# Allegro board reServer industrial J401 Carrier Board v11.brd (continued)
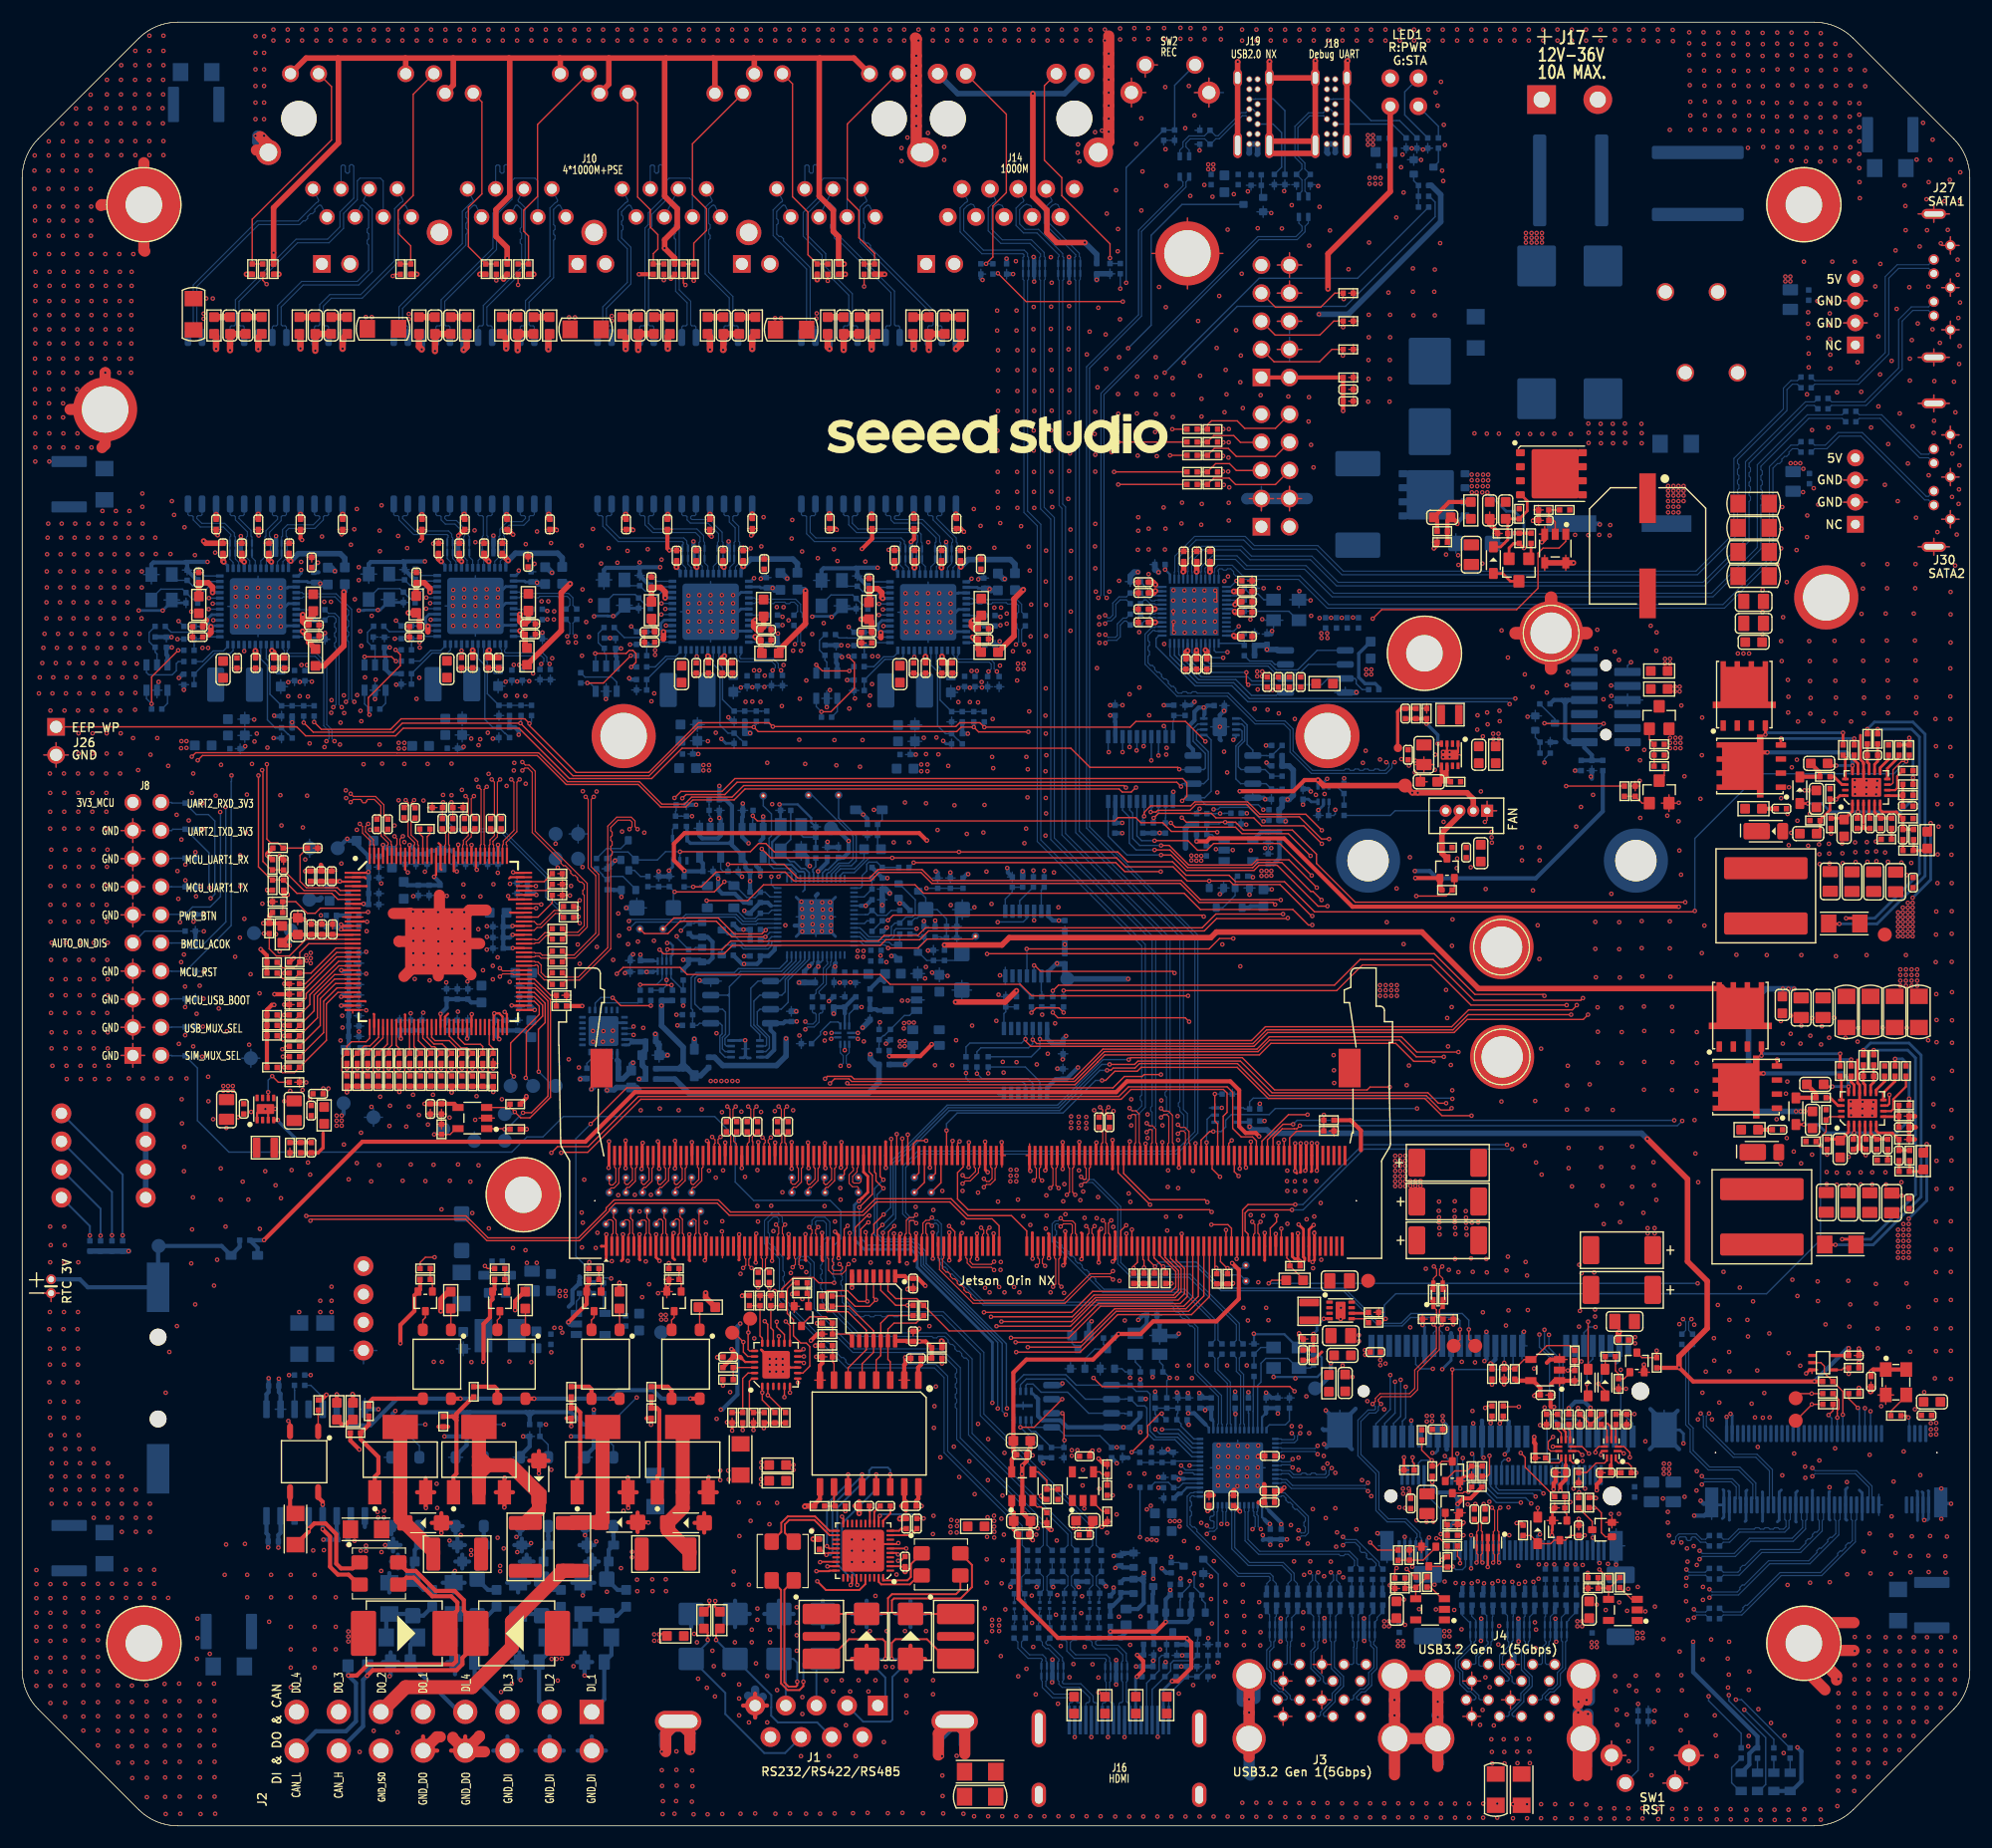
[diagram p0: board, top side]
## Copper pours and planes (outline as drawn; the poured copper is in the pictures) (continued)
VDD12_SW_OUT2 on TOP: 65.94,112.57 66.21,112.29 66.21,110.74 66.57,110.39 67.51,110.39 67.99,109.91 69.18,109.91 69.51,110.24 69.51,113.03 69.25,113.3 69.24,113.3 68.74,113.8 66.29,113.8 65.94,113.44
VDD12_SW_OUT2 on BOTTOM: 62.45,95.94 62.15,96.24 60.72,96.24 60.47,95.99 60.47,95.2 60.72,94.94 62.15,94.94 62.45,95.25
VDD12_SW_OUT2 on LAY3: 60.72,95.18 60.72,103.23 56.58,107.37 56.58,108.97 57.65,110.04 59.33,110.04 62.35,113.06 69.16,113.06 69.51,112.7 69.51,100.82 63.34,94.64 61.26,94.64
VDD25_REG_OUT on TOP: 88.39,106.45 87.92,106.45 87.72,106.25 87.72,105.76 87.39,105.42 85.61,105.42 85.43,105.25 85.43,104.18 85.58,104.03 86.62,104.03 87.13,104.54 87.84,104.54 88.52,105.22 88.52,106.32
VDD25_REG_OUT on BOTTOM: 83.56,106.51 83.48,106.43 83.48,103.87 83.73,103.61 86.27,103.61 86.5,103.84 86.5,104.45 86.3,104.65 84.42,104.65 83.76,105.31 83.76,106.43 83.68,106.51
VDD25_REG_OUT0 on TOP: 25.09,105.31 26.66,105.31 26.87,105.11 26.87,104.52 26.69,104.35 25.09,104.35 24.88,104.55 24.88,105.11
VDD25_REG_OUT0 on BOTTOM: 22.93,106.96 22.93,104.39 23.18,104.14 25.72,104.14 25.95,104.37 25.95,104.98 25.75,105.18 23.87,105.18 23.21,105.84 23.21,106.96 23.13,107.04 23,107.04
VDD25_REG_OUT1 on TOP: 44.39,105.69 45.92,105.69 46.02,105.59 46.02,105.26 45.43,104.68 44.26,104.68 44.19,104.75 44.19,105.49
VDD25_REG_OUT1 on BOTTOM: 42.65,107.08 42.57,107 42.57,104.44 42.82,104.18 45.36,104.18 45.59,104.41 45.59,105.02 45.39,105.22 43.51,105.22 42.85,105.88 42.85,107 42.77,107.08
VDD25_REG_OUT2 on TOP: 65.92,105.16 67.37,105.16 67.81,105.6 67.81,106.17 68.03,106.4 68.63,106.4 68.82,106.21 68.82,105.27 68.17,104.62 67.81,104.62 67.8,104.63 67.67,104.63 67.21,104.17 65.95,104.17 65.85,104.26 65.85,105.09
VDD25_REG_OUT2 on BOTTOM: 63.9,106.55 63.82,106.48 63.82,103.91 64.08,103.66 66.62,103.66 66.85,103.89 66.85,104.5 66.64,104.7 64.76,104.7 64.1,105.36 64.1,106.48 64.03,106.55
VDD_1V0_AUX on TOP: 28.18,66.76 27.93,67.02 27.17,67.02 26.97,66.81 26.97,64.62 27.03,64.55 27.95,64.55 28.18,64.78
VDD_1V0_AUX on BOTTOM: 29.76,83.46 29.76,81.05 29.45,80.74 28.49,80.74 28.18,81.05 28.18,82.57 27.85,82.9 27.02,82.9 26.76,83.15 26.76,83.89 26.99,84.12 28.59,84.12 29.07,83.64 29.58,83.64
VDD_1V0_AUX on LAY4: 29.02,81.56 29.02,66.73 28.64,66.35 26.84,66.35 26.48,66.7 26.48,81.43 26.81,81.77 28.82,81.77
VDD_1V2 on TOP: 115.64,46.05 117.11,46.05 117.75,45.42 118.43,45.42 118.74,45.11 118.74,40.46 118.43,40.16 117.19,40.16 116.78,40.57 116.78,42.19 117.16,42.57 117.16,44.35 116.78,44.73 115.61,44.73 115.43,44.91 115.43,45.85
VDD_1V2_HUB on TOP: 119.75,39.6 115.84,39.6 113.81,37.57 105.25,37.57 104.77,37.09 104.77,35.64 105.66,34.75 112.74,34.75 113,34.5 113,28.96 112.72,28.68 110.38,28.68 109.92,29.14 107.03,29.14 104.61,31.55 104.36,31.55 104.18,31.37 104.18,28.91 107.38,25.71 114.57,25.71 119.88,31.02 119.88,39.47
VDD_1V8 on BOTTOM: 111.05,87.45 111.91,87.45 112.19,87.17 112.77,87.17 112.87,87.07 112.87,86.66 113.18,86.35 113.18,85.57 113.1,85.49 111.99,85.49 110.89,86.58 110.89,87.29
VDD_1V8 on BOTTOM: 90.64,47.96 87.14,47.96 86.81,48.29 86.81,58.7 87.72,59.62 90.26,59.62 91.03,58.85 91.03,48.34
VDD_1V8 on LAY3: 89.48,57.46 96.87,57.46 97.5,58.09 97.5,63.73 96.79,64.44 94.78,64.44 93.16,62.82 90.24,62.82 88.97,61.55 88.97,57.97
VDD_1V8 on LAY3: 81.5,49.13 84.68,49.13 84.9,48.9 92.27,48.9 92.73,48.44 95.32,48.44 97.05,46.71 97.05,45.42 96.56,44.94 87.11,44.94 85.74,43.56 82.8,43.56 81.22,45.14 81.22,48.85
VDD_1V8 on LAY4: 111.17,62.74 94.56,62.74 94.18,63.12 94.18,63.91 94.63,64.37 98.57,64.37 99.13,64.92 99.13,66.12 97.65,67.59 95.45,67.59 95.19,67.85 95.19,68.61 98.06,71.48 98.06,100.97 98.7,101.6 112.95,101.6 113.94,100.61 113.94,94.21 115.43,92.71 121.38,92.71 126.23,87.86 126.23,85.32 111.75,70.84 111.75,63.32
VDD_1V25 on TOP: 126.83,96.98 124.15,96.98 124.12,96.95 122.37,96.95 121.51,97.82 121.51,100.92 120.77,101.65 118.64,101.65 118.05,102.24 118.05,103.33 118.36,103.63 123.26,103.63 123.82,103.08 123.82,99.6 123.94,99.47 124.38,99.47 124.45,99.39 127.09,99.39 127.42,99.72 127.42,101.27 127.49,101.35 128.43,101.35 128.56,101.22 128.56,98.71
VDD_3V3_HDMI on TOP: 94.9,29.63 93.33,29.63 93.1,29.4 93.1,27.35 94.39,26.05 95.41,26.05 95.69,26.33 95.69,27.93 95.21,28.41 95.21,29.33
VDD_3V3_HUB on BOTTOM: 104.83,30.22 104.83,26.29 104.58,26.03 103.64,26.03 103.44,26.24 103.44,28.78 103.84,29.18 103.84,30 104.1,30.25 104.81,30.25
VDD_3V3_HUB on LAY3: 113.1,26.72 103.8,26.72 100.91,29.62 100.91,37.06 101.74,37.9 113.68,37.9 113.99,37.59 113.99,35.36 113.4,34.78 105.1,34.78 104.18,33.86 104.18,30.94 106.34,28.78 113,28.78 113.35,28.43 113.35,26.98
VDD_3V3_SYS on TOP: 127.66,35.68 127.66,37.18 127.38,37.46 126.55,37.46 126.32,37.23 126.32,35.58 126.37,35.53 127.51,35.53
VDD_3V3_SYS on TOP: 121.9,43.2 121.06,43.2 120.88,43.02 120.88,42.36 121.06,42.18 121.9,42.18 122.1,42.39 122.1,43
VDD_3V3_SYS on TOP: 17.69,67.02 17.69,65.62 18.3,65.01 20.29,65.01 20.77,65.49 21.3,65.49 21.38,65.57 21.38,66.1 21.4,66.13 21.56,66.13 21.61,66.08 21.61,65.54 21.63,65.52 21.83,65.52 21.86,65.54 21.86,66.46 22.01,66.61 22.44,66.61 22.6,66.46 22.6,65.59 22.67,65.52 22.83,65.52 22.88,65.57 22.88,66.99 22.42,67.45 18.13,67.45
VDD_3V3_SYS on TOP: 36.95,108.17 36.04,108.17 35.69,107.81 35.69,107.78 35.63,107.72 35.63,105.33 36.02,104.93 38.81,104.93 39.22,105.34 39.72,105.34 40,105.62 40,106.27 39.81,106.46 37.55,106.46 37.22,106.79 37.22,107.9
VDD_3V3_SYS on TOP: 132.65,97.36 132.93,97.08 134.43,97.08 134.68,97.34 134.68,98.89 134.5,99.07 132.93,99.07 132.65,98.79
VDD_3V3_SYS on TOP: 78,107.6 76.95,107.6 76.6,107.24 76.6,105.72 76.6,105.72 76.6,104.84 76.98,104.45 79.72,104.45 80.09,104.83 80.65,104.83 80.92,105.1 80.92,105.9 80.7,106.11 78.62,106.11 78.42,106.31 78.42,107.18
VDD_3V3_SYS on TOP: 144.94,43.5 144.94,44.73 145.18,44.97 145.18,46.77 146.01,47.6 146.01,53.73 146.6,54.32 148.71,54.32 149.36,53.67 149.36,46.66 145.98,43.27 145.16,43.27
VDD_3V3_SYS on TOP: 164.96,50.9 164.96,53.52 164.46,54.03 162.48,54.03 162.27,54.23 162.27,55.81 162.4,55.93 170.73,55.93 170.84,55.82 170.84,51.27 170.43,50.85 165.02,50.85
VDD_3V3_SYS on TOP: 17.34,108.13 16.4,108.13 16.04,107.77 16.04,106.25 16.04,106.25 16.04,105.91 16.04,105.91 16.04,105.35 16.46,104.93 18.67,104.93 19.05,105.31 19.52,105.31 19.62,105.41 19.62,105.48 20.36,106.22 20.36,106.43 20.18,106.6 20.13,106.66 18.08,106.66 17.52,107.22 17.52,107.95
VDD_3V3_SYS on TOP: 58.47,107.64 57.3,107.64 56.94,107.29 56.94,105.02 57.54,104.42 59.99,104.42 60.43,104.86 60.9,104.86 61.26,105.22 61.26,105.78 61.16,105.88 61.16,105.88 60.84,106.2 58.92,106.2 58.72,106.4 58.72,107.39
VDD_3V3_SYS on TOP: 95.26,31.74 95.26,32.65 95.64,33.03 95.64,34.13 95.41,34.36 94.49,34.36 94.21,34.08 94.21,31.82 94.49,31.54 95.05,31.54
VDD_3V3_SYS on TOP: 127.61,29.33 124.84,29.33 124.57,29.61 124.57,30.68 124.87,30.98 127.54,30.98 127.92,30.6 127.92,29.64
VDD_3V3_SYS on TOP: 173.63,35.13 172.36,35.13 172.23,35.26 172.23,37.29 172.86,37.92 172.86,38.43 173.12,38.69 174.39,38.69 174.77,38.31 174.77,36.27
VDD_3V3_SYS on BOTTOM: 172.89,34.71 171.89,34.71 171.87,34.73 171.87,36.26 171.84,36.29 171.7,36.29 171.67,36.26 171.67,34.74 171.65,34.71 171.41,34.71 171.38,34.75 171.38,36.27 171.35,36.3 171.19,36.3 171.17,36.28 171.17,34.74 171.14,34.71 171,34.71 170.87,34.85 170.87,35.19 170.9,35.22 170.9,36.96 171.15,37.21 173.01,37.21 173.23,36.99 173.23,35.06
VDD_3V3_SYS on BOTTOM: 126.09,34.44 126.09,37.2 126.34,37.46 127.61,37.46 127.72,37.36 127.72,36.57 127.38,36.24 127.38,34.49 127.18,34.28 127.03,34.28 126.85,34.46 126.85,36.19 126.83,36.21 126.62,36.21 126.6,36.19 126.6,34.46 126.47,34.33 126.19,34.33
VDD_3V3_SYS on BOTTOM: 124.54,32.51 124.54,29.74 124.72,29.56 125.43,29.56 125.63,29.76 125.63,30.45 125.33,30.75 125.33,32.51 125.25,32.58 125.15,32.58 125.05,32.48 125.05,30.8 125.02,30.78 124.84,30.78 124.82,30.8 124.82,32.53 124.79,32.56 124.59,32.56
VDD_3V3_SYS on BOTTOM: 122.17,105.91 121.38,105.91 121.15,105.68 121.15,104.02 121.33,103.84 122.38,103.84 122.52,103.98 122.52,105.55
VDD_3V3_SYS on BOTTOM: 108.7,87.48 107.99,87.48 107.56,87.91 106.34,87.91 105.76,88.5 104.82,88.5 104.69,88.37 104.69,86.44 105.38,85.75 108.25,85.75 108.98,86.49 108.98,87.2
VDD_3V3_SYS on BOTTOM: 156.48,37.24 156.38,37.14 156.38,34.71 156.42,34.68 156.64,34.68 156.67,34.71 156.67,36.22 156.7,36.24 156.83,36.24 156.87,36.2 156.87,34.73 156.93,34.67 157.13,34.67 157.17,34.72 157.17,36.2 157.22,36.25 157.33,36.25 157.37,36.21 157.37,34.72 157.42,34.67 157.62,34.67 157.67,34.72 157.67,36.18 157.74,36.25 157.8,36.25 157.86,36.19 157.86,34.73 157.93,34.67 158.07,34.67 158.16,34.76 158.16,37.14 158.06,37.24
VDD_3V3_SYS on BOTTOM: 102.72,26.95 102.72,25.65 102.55,25.47 101.73,25.47 101.4,25.8 101.4,26.9 101.63,27.13 102.55,27.13
VDD_3V3_SYS on BOTTOM: 145.91,44.4 145.13,44.4 144.9,44.17 144.9,42.9 145.1,42.7 145.97,42.7 146.27,43 146.27,44.05
VDD_3V3_SYS on BOTTOM: 120.83,42.51 120.83,43.76 121.39,44.32 121.87,44.32 122.1,44.09 122.1,42.39 121.97,42.26 121.09,42.26
VDD_3V3_SYS on BOTTOM: 149.97,30.68 149.97,32.78 149.25,33.5 141.71,33.5 141.53,33.32 141.53,30.88 141.58,30.83 141.76,30.83 141.81,30.88 141.81,32.61 141.84,32.63 142.02,32.63 142.04,32.61 142.04,30.88 142.09,30.83 142.27,30.83 142.32,30.88 142.32,32.61 142.35,32.63 142.52,32.63 142.55,32.61 142.55,30.91 142.65,30.8 144.68,30.8 145.01,30.47 149.76,30.47
VDD_3V3_SYS on PWR02: 35.58,46.94 31.89,43.26 24.35,43.26 21.96,40.87 21.96,39.19 22.7,38.46 61.84,38.46 64.86,35.44 66.9,35.44 71.34,39.88 83.94,39.88 87.7,36.12 87.7,16.82 91.94,12.58 104.64,12.58 108.37,16.31 153.2,16.31 158.13,21.24 169.31,21.24 174.34,26.27 174.34,55.2 173.73,55.81 156.79,55.81 152.9,59.69 152.9,113.79 138.17,128.53 129.94,128.53 127.37,131.09 127.37,157.25 126.59,158.04 123.66,158.04 123.33,157.71 123.33,148.62 118.86,144.15 96.16,144.15 94.2,142.19 90.5,142.19 88.69,140.38 88.69,121.14 86.61,119.05 12.87,119.05 11.45,117.63 11.45,106.91 9.39,104.85 9.39,68.61 9.9,68.1 14.95,68.1 15.44,67.62 15.44,62.36 20.26,57.53 46.93,57.53 50.61,53.85 50.61,47.58 49.98,46.94 ; 5 cut-outs
VDD_5V_BUS on TOP: 66.65,31.79 67.67,31.79 67.98,32.1 67.98,33.21 67.9,33.29 67.32,33.29 67.31,33.28 66.6,33.28 66.47,33.15 66.47,31.97
VDD_5V_BUS on BOTTOM: 50.38,44.68 49.52,44.68 48.22,45.97 44.46,45.97 43.98,45.49 43.98,43.53 44.46,43.05 44.59,43.05 45.78,44.25 48.22,44.25 48.91,43.56 50.3,43.56 50.56,43.81 50.56,44.5
VDD_5V_BUS on LAY4: 67.12,31.98 66.46,31.98 65.65,32.79 47.92,32.79 46.78,33.94 46.78,44.94 47.19,45.34 49.27,45.34 49.85,44.76 49.85,38.36 52.95,35.26 65.88,35.26 67.4,33.73 67.4,32.26
VDD_5V_SYS on TOP: 149.55,99.7 148.56,99.7 148.33,99.47 148.33,98.33 148.12,98.12 148.12,96.67 148.33,96.47 149.8,96.47 150.08,96.75 150.08,99.16
VDD_5V_SYS on TOP: 119.5,61.45 126.28,61.45 126.82,60.91 126.82,51.3 125.81,50.29 123.41,50.29 121.15,48.03 121.15,46.92 120.92,46.69 119.93,46.69 119.88,46.74 119.88,46.89 119.96,46.97 120.44,46.97 120.46,46.99 120.46,47.14 120.41,47.2 119.91,47.2 119.85,47.25 119.85,47.88 119.45,48.29 119.45,50.13 119.29,50.29 117.33,50.29 117.16,50.46 117.16,54.33 118,55.17 118,57.51 117.42,58.09 117.42,61.42 117.44,61.45 117.64,61.45 117.67,61.42 117.67,59.69 117.7,59.67 117.87,59.67 117.9,59.69 117.9,61.42 117.92,61.45 118.1,61.45 118.15,61.39 118.15,59.69 118.18,59.67 118.38,59.67 118.41,59.69 118.41,61.39 118.46,61.45 118.58,61.45 118.66,61.37 118.66,59.69 118.69,59.67 118.89,59.67 118.91,59.69 118.91,61.39 118.94,61.42 119.12,61.42 119.17,61.37 119.17,59.69 119.19,59.67 119.37,59.67 119.4,59.69 119.4,61.34
VDD_5V_SYS on TOP: 170.78,79.86 165.42,79.86 165.32,79.96 165.32,82.53 164.81,83.04 162.83,83.04 162.63,83.24 162.63,84.81 162.76,84.94 171.09,84.94 171.2,84.83 171.2,80.28
VDD_5V_SYS on TOP: 140.33,18.6 140.33,17.43 140.61,17.15 143.45,17.15 143.83,17.53 143.83,18.77 143.73,18.87 142.56,18.87 142.28,19.15 140.89,19.15
VDD_5V_SYS on TOP: 123.21,17.15 126.05,17.15 126.43,17.53 126.43,18.75 126.26,18.93 125.29,18.93 125.01,19.2 123.23,19.2 122.85,18.82 122.85,17.5
VDD_5V_SYS on TOP: 132.96,88.17 129.05,88.17 128.97,88.24 128.97,89.89 129.26,90.17 130.41,90.17 130.58,90.35 130.58,92.05 130.8,92.27 131.4,92.27 131.67,92 131.67,90.37 131.87,90.17 132.94,90.17 133.27,89.84 133.27,88.47
VDD_5V_SYS on TOP: 80.69,73.48 62.45,73.48 61.64,72.67 61.64,67.57 62.12,67.08 71.59,67.08 72.46,67.95 76.27,67.95 78.15,69.83 80.64,69.83 81.17,70.36 81.17,73
VDD_5V_SYS on BOTTOM: 79.51,72.85 80.63,72.85 80.93,72.54 80.93,71.7 80.65,71.42 79.53,71.42 79.28,71.68 79.28,72.62
VDD_5V_SYS on BOTTOM: 52.44,44.66 53.48,44.66 54.14,45.32 56.35,45.32 57.4,46.36 58.41,46.36 58.79,45.98 58.79,44.53 58.23,43.97 52.49,43.97 52.29,44.17 52.29,44.5
VDD_5V_SYS on PWR02: 124.53,79.17 79.65,79.17 79.06,78.59 79.06,72.21 79.44,71.83 124.68,71.83 125.06,72.21 125.06,78.64
VDD_5V_SYS on LAY3: 57.29,45.62 57.29,66.35 58.84,67.9 64.76,67.9 65.22,67.44 65.22,62.11 63.64,60.53 63.64,52.81 61.69,50.85 61.69,45.67 61.33,45.32 57.6,45.32
VDD_5V_SYS on LAY4: 122.95,17.83 143.48,17.83 147.06,14.25 155.36,14.25 156.15,15.04 156.15,19.54 157.5,20.88 168.11,20.88 173.7,26.47 173.7,92.31 166.84,99.16 135.12,99.16 132.45,96.5 132.45,86.39 117.31,71.25 117.31,61.85 122.12,57.05 150.59,57.05 167.43,40.21 167.43,36.15 161.71,30.43 155.85,30.43 151.93,26.52 151.93,18.54 151.5,18.11 149.78,18.11 147.46,20.42 123,20.42 122.7,20.12 122.7,18.09 ; 2 cut-outs
VDD_DCIN on TOP: 137.91,124.41 141.03,124.41 141.04,124.41 154.4,124.41 156.07,122.74 156.07,106.58 156.84,105.82 157.5,105.82 157.75,105.56 157.75,102.14 157.09,101.48 153.23,101.48 153.08,101.63 151.4,101.63 150.64,102.39 150.64,114.38 149.27,115.75 145.91,115.75 143.97,117.68 140.12,117.68 139.64,118.16 139.64,119.77 139.38,120.02 138.21,120.02 137.68,120.55 137.68,124.18
VDD_DCIN on TOP: 160.39,93.25 160.39,93.86 160.52,93.98 164.15,93.98 164.41,93.73 164.89,93.73 164.96,93.65 164.96,93.55 164.89,93.47 164.43,93.47 164.23,93.27 162.91,93.27 162.76,93.12 160.52,93.12
VDD_DCIN on TOP: 162.55,64.26 162.4,64.11 160.16,64.11 160.04,64.24 160.04,64.85 160.16,64.98 163.77,64.98 164.03,64.72 164.53,64.72 164.61,64.65 164.61,64.54 164.53,64.47 164.08,64.47 163.87,64.26
VDD_DCIN on TOP: 157.19,74.53 157.19,73.61 156.05,72.47 152.87,72.47 152.72,72.62 152.72,76.86 153.51,77.65 171.34,77.65 172.18,76.81 172.18,75.03 171.67,74.53
VDD_DCIN on BOTTOM: 150.84,117.15 150.84,120.96 150.33,121.47 147.03,121.47 146.35,120.78 146.35,117.3 146.68,116.97 150.66,116.97
VDD_DCIN on LAY3: 148.43,121.16 148.43,86.18 151.07,83.54 151.07,77.68 152.72,76.02 160.49,76.02 161,75.52 171.39,75.52 171.92,76.05 171.92,114.48 164.86,121.54 148.81,121.54
VDD_DCIN on LAY4: 150.16,121.41 111.09,121.41 110.43,120.75 110.43,112.83 111.27,111.99 149.85,111.99 150.72,112.85 150.72,120.86
VDD_VBUS_A on TOP: 146.82,16.87 146.41,16.46 145.32,16.46 144.96,16.82 144.96,18.51 145.31,18.85 146.63,18.85 146.82,18.66
VDD_VBUS_A on BOTTOM: 146.65,17.71 141.72,17.71 141.27,17.25 141.27,16.33 141.72,15.88 146.32,15.88 146.85,16.41 146.85,17.5
VDD_VBUS_A on LAY4: 138.73,9.58 138.73,14.3 140.23,15.8 142.31,15.8 142.64,16.13 142.64,17.35 142.41,17.58 136.14,17.58 135.17,16.61 135.17,9.83 135.75,9.25 138.4,9.25
VDD_VBUS_B on TOP: 129.35,16.92 128.95,16.51 127.86,16.51 127.5,16.87 127.5,18.6 127.83,18.93 129.18,18.93 129.35,18.75
VDD_VBUS_B on BOTTOM: 129.18,17.76 124.25,17.76 123.79,17.3 123.79,16.39 124.25,15.93 128.85,15.93 129.38,16.46 129.38,17.55
VDD_VBUS_B on LAY4: 121.48,9.58 121.48,14.3 122.98,15.8 125.06,15.8 125.39,16.13 125.39,17.35 125.16,17.58 118.89,17.58 117.92,16.61 117.92,9.83 118.51,9.25 121.15,9.25
VIN_5V on BOTTOM: 30.74,44.63 39.08,44.63 39.48,44.22 40.19,44.22 41.49,42.92 41.82,42.92 42.45,43.56 42.45,46.23 40.9,47.78 35.55,47.78 34.2,46.43 30.57,46.43 30.29,46.15 30.29,45.08
(no net) on TOP: 86.5,121.11 86.12,120.73 10.8,120.73 9.83,119.76 0.99,119.76 0.55,119.32 0.55,26.88 1.5,25.92 13.44,25.92 13.86,26.34 13.86,44.27 26.63,57.04 26.63,57.23 44.72,57.23 51.96,49.99 55.01,49.99 58.44,46.56 61.54,46.56 62.45,45.65 62.45,35.44 63.95,33.94 67.66,33.94 69.38,35.66 69.38,37.21 71.49,39.32 81.42,39.32 82.06,38.69 82.06,33.35 86.5,28.91 86.5,16.21 91.35,11.37 106.17,11.37 108.48,13.67 108.48,15.7 108.73,15.95 112.16,15.95 112.36,15.75 112.36,14.18 112.74,13.79 112.74,9.91 113.68,8.97 121.3,8.97 122.12,9.78 122.12,13.74 122.5,14.12 122.5,15.12 123.21,15.83 128.92,15.83 129.43,15.32 129.43,14.18 129.79,13.82 129.79,9.63 131.97,7.44 131.97,4.65 132.48,4.14 136.54,4.14 137.05,4.65 137.05,7.57 139.13,9.65 139.13,13.74 139.56,14.18 139.56,14.79 140.48,15.7 143.15,15.7 143.65,15.19 143.65,7.83 142.89,7.06 142.89,3.3 143.2,3 151.15,3 151.53,3.38 151.53,4.78 152.54,5.79 157.12,5.79 158.01,4.9 159.66,4.9 160.67,5.92 160.67,7.19 156.48,11.38 156.48,18.11 159.02,20.65 173.83,20.65 175.38,22.2 175.38,150.09 174.65,151.46 171.67,154.43 170.53,154.43 170.45,154.36 170.45,151.49 169.56,150.6 169.56,144.6 166.77,141.81 160.04,141.81 158.77,140.54 158.77,124.61 156.41,122.25 149.88,122.25 148.73,123.4 148.73,125.55 146.78,127.51 134.33,127.51 128.8,133.05 128.8,157.66 128.39,158.07 122.75,158.07 122.27,157.58 122.27,151.06 121.25,150.04 109.54,150.04 108.25,151.34 108.25,158.04 106.75,159.54 101.59,159.54 99.84,157.79 99.84,149.81 86.5,136.48 ; 60 cut-outs
(no net) on BOTTOM: 122.75,158.07 128.39,158.07 128.8,157.66 128.8,133.05 131.34,130.51 143.78,130.51 148.73,125.55 148.73,123.4 149.88,122.25 153.05,122.25 158.77,127.97 158.77,140.54 160.04,141.81 166.77,141.81 169.56,144.6 169.56,150.6 170.45,151.49 170.45,154.36 170.53,154.43 171.67,154.43 174.65,151.46 175.38,150.09 175.38,22.2 173.83,20.65 159.02,20.65 156.48,18.11 156.48,11.38 159.61,8.26 159.61,5.06 159.45,4.9 158.01,4.9 157.12,5.79 152.54,5.79 151.53,4.78 151.53,3.38 151.15,3 143.2,3 142.89,3.3 142.89,7.06 143.65,7.83 143.65,15.19 142.89,15.95 108.73,15.95 108.48,15.7 108.48,13.67 106.32,11.51 105.05,11.51 104.03,10.49 104.03,8.08 103.52,7.57 94.38,7.57 93.62,8.33 93.62,10.62 92.73,11.51 91.2,11.51 86.5,16.21 86.5,28.91 82.06,33.35 82.06,38.69 81.42,39.32 71.65,39.32 66.06,33.73 62.37,33.73 59.58,30.94 56.02,30.94 54.37,32.59 33.04,32.59 32.15,33.48 32.15,36.4 31.77,36.78 22.75,36.78 21.86,37.67 21.86,40.85 24.27,43.26 31.89,43.26 35.58,46.94 49.29,46.94 49.93,47.58 49.93,52.02 44.72,57.23 26.81,57.23 13.86,44.27 13.86,26.36 13.44,25.94 1.49,25.94 0.55,26.88 0.55,120.27 1.01,120.73 86.12,120.73 86.5,121.11 86.5,143.13 87.09,143.72 97.55,143.72 99.84,146 99.84,154.89 100.6,155.65 101.74,155.65 102.13,156.03 102.13,156.8 103.4,158.07 108.22,158.07 108.98,157.3 108.98,155.91 109.36,155.53 120.21,155.53 ; 68 cut-outs
(no net) on LAY3: 101.59,159.54 106.75,159.54 108.25,158.04 108.25,151.34 109.54,150.04 121.25,150.04 122.27,151.06 122.27,157.58 122.75,158.07 128.39,158.07 128.8,157.66 128.8,133.05 131.34,130.51 143.78,130.51 148.73,125.55 148.73,123.4 149.88,122.25 153.05,122.25 158.77,127.97 158.77,140.54 160.04,141.81 166.77,141.81 169.56,144.6 169.56,150.6 170.45,151.49 170.45,154.36 170.53,154.43 171.67,154.43 174.65,151.46 175.38,150.09 175.38,22.2 173.83,20.65 159.02,20.65 156.48,18.11 156.48,11.38 159.61,8.26 159.61,5.06 159.45,4.9 158.01,4.9 157.12,5.79 152.54,5.79 151.53,4.78 151.53,3.38 151.15,3 143.2,3 142.89,3.3 142.89,7.06 143.65,7.83 143.65,15.19 143.15,15.7 140.48,15.7 139.56,14.79 139.56,14.18 139.13,13.74 139.13,9.65 137.05,7.57 137.05,4.65 136.54,4.14 132.48,4.14 131.97,4.65 131.97,7.44 129.79,9.63 129.79,13.82 129.43,14.18 129.43,15.32 128.92,15.83 123.21,15.83 122.5,15.12 122.5,14.12 122.12,13.74 122.12,9.78 121.3,8.97 113.68,8.97 112.74,9.91 112.74,13.79 112.36,14.18 112.36,15.75 112.16,15.95 108.73,15.95 108.48,15.7 108.48,13.67 106.32,11.51 105.05,11.51 104.03,10.49 104.03,8.08 103.52,7.57 94.38,7.57 93.62,8.33 93.62,10.62 92.73,11.51 91.2,11.51 86.5,16.21 86.5,28.91 82.06,33.35 82.06,38.69 81.42,39.32 62.98,39.32 62.45,39.86 62.45,45.65 61.54,46.56 58.44,46.56 55.01,49.99 51.96,49.99 44.72,57.23 26.81,57.23 13.86,44.27 13.86,26.34 13.44,25.92 1.5,25.92 0.55,26.88 0.55,119.32 0.99,119.76 9.83,119.76 10.8,120.73 86.12,120.73 86.5,121.11 86.5,141.35 84.6,143.26 79.24,143.26 78.38,142.39 78.38,140.11 77.67,139.4 71.72,139.4 71.34,139.78 71.34,143.64 69.31,145.67 63.62,145.67 61.61,143.66 61.61,139.88 60.95,139.22 56.05,139.22 54.98,140.29 54.98,143.79 53.23,145.54 48.18,145.54 46.68,144.05 46.68,140.01 46.14,139.47 41.47,139.47 40.02,140.92 40.02,145.01 39.16,145.87 36.44,145.87 35.42,144.86 35.42,142.06 35.98,141.51 35.98,140.13 35.81,139.96 34.92,139.96 34.46,140.41 34.46,141.23 32.43,143.26 26.64,143.26 23.26,139.88 20.13,139.88 19.14,140.87 19.14,147.25 19.88,147.98 98.01,147.98 99.84,149.81 99.84,157.79 ; 59 cut-outs
(no net) on LAY4: 101.85,159.79 106.67,159.79 108.27,158.19 128.26,158.19 128.8,157.66 128.8,133.05 131.34,130.51 143.78,130.51 148.73,125.55 148.73,123.4 149.88,122.25 153.05,122.25 158.77,127.97 158.77,140.54 160.04,141.81 166.77,141.81 169.56,144.6 169.56,150.6 170.45,151.49 170.45,154.36 170.53,154.43 171.67,154.43 174.65,151.46 175.38,150.09 175.38,22.2 173.83,20.65 159.02,20.65 156.48,18.11 156.48,11.38 159.61,8.26 159.61,5.06 159.45,4.9 158.01,4.9 157.12,5.79 152.54,5.79 151.53,4.78 151.53,3.38 151.15,3 143.2,3 142.89,3.3 142.89,7.06 143.65,7.83 143.65,15.19 143.15,15.7 140.48,15.7 139.56,14.79 139.56,14.18 139.13,13.74 139.13,9.65 137.05,7.57 137.05,4.65 136.54,4.14 132.48,4.14 131.97,4.65 131.97,7.44 129.79,9.63 129.79,13.82 129.43,14.18 129.43,15.32 128.92,15.83 123.21,15.83 122.5,15.12 122.5,14.12 122.12,13.74 122.12,9.78 121.3,8.97 113.68,8.97 112.74,9.91 112.74,13.79 112.36,14.18 112.36,15.75 112.16,15.95 108.73,15.95 108.48,15.7 108.48,13.67 106.32,11.51 105.05,11.51 104.03,10.49 104.03,8.08 103.52,7.57 94.38,7.57 93.62,8.33 93.62,10.62 92.73,11.51 91.2,11.51 86.5,16.21 86.5,28.91 82.06,33.35 82.06,38.69 81.42,39.32 60.6,39.32 58.44,41.48 58.44,46.56 55.01,49.99 51.96,49.99 44.72,57.23 26.81,57.23 13.86,44.27 13.86,26.34 13.85,26.34 13.44,25.94 1.49,25.94 0.55,26.88 0.55,119.32 0.99,119.76 9.83,119.76 10.8,120.73 86.12,120.73 86.5,121.11 86.5,141.94 83.28,145.16 83.28,147.25 84.57,148.54 84.57,148.67 98.7,148.67 99.84,149.81 99.84,157.79 ; 47 cut-outs
5V_RS232/422/485 on TOP: 68.73,30.77 68.6,30.9 68.6,32.9 68.7,33.01 69.72,33.01 69.9,32.83 69.9,31.02 69.64,30.77
5V_RS232/422/485 on LAY3: 68.98,32.92 70.68,32.92 71.04,32.57 71.04,31.24 72,30.28 81.3,30.28 81.81,29.77 81.81,23.88 80.36,22.43 77.26,22.43 75.51,24.18 69.11,24.18 68.62,24.67 68.62,32.57
BBAT_CONN on BOTTOM: 14.44,52.15 14.32,52.28 11.78,52.28 10.56,51.06 10.56,46.28 10.86,45.98 13.83,45.98 14.44,46.59
DCJ_IN on TOP: 151.07,130.36 142.79,130.36 135.2,137.95 135.2,143.84 135.63,144.27 138.9,144.27 139.44,143.74 139.44,140.16 144.62,134.98 151.1,134.98 151.68,134.39 151.68,130.96
DCJ_IN on BOTTOM: 136.64,157.28 138.27,157.28 138.6,156.95 138.6,153.22 137.91,152.53 137.91,139.85 137,138.94 135.48,138.94 132.4,135.87 131.06,135.87 130.5,136.43 130.5,151.13
DO_40V_1 on TOP: 55.12,25.66 56.28,25.66 56.59,25.35 56.59,23.85 55.9,23.17 54.96,23.17 54.76,23.37 54.76,25.3
DO_40V_3 on TOP: 43.09,24 46.77,24 47.03,23.75 47.03,22.66 46.8,22.43 43.11,22.43 42.84,22.71 42.84,23.75
DO_40V_4 on TOP: 40.78,25.75 41.69,25.75 41.97,25.47 41.97,23.77 41.84,23.65 40.63,23.65 40.45,23.82 40.45,25.42
GND_RS232/422/485 on TOP: 60.86,20.42 60.86,20.41 59.35,18.9 59.35,13.81 67.47,5.69 76.75,5.69 83.96,12.91 83.96,12.91 85.86,14.8 85.86,26.86 83.09,29.62 64.66,29.62 64.28,29.24 64.28,23.84 ; 1 cut-out
GND_RS232/422/485 on BOTTOM: 67.47,5.69 76.75,5.69 83.96,12.91 83.96,12.91 85.86,14.8 85.86,26.86 83.09,29.62 64.66,29.62 64.28,29.24 64.28,23.83 59.35,18.9 59.35,13.81 ; 1 cut-out
GND_RS232/422/485 on PWR02: 67.47,5.69 76.75,5.69 83.96,12.91 83.96,12.91 85.86,14.8 85.86,26.86 83.09,29.62 64.66,29.62 64.28,29.24 64.28,23.81 59.35,18.88 59.35,13.81
GND_RS232/422/485 on LAY4: 67.47,5.69 76.75,5.69 83.96,12.91 83.96,12.91 85.86,14.8 85.86,26.86 83.09,29.62 64.66,29.62 64.28,29.24 64.28,23.8 59.35,18.87 59.35,13.81
GND_RS232/422/485 on GND05: 67.47,5.69 76.75,5.69 83.96,12.91 83.96,12.91 85.86,14.8 85.86,26.86 83.09,29.62 64.66,29.62 64.28,29.24 64.28,23.83 59.35,18.9 59.35,13.81
LDO_5V_IN on BOTTOM: 80.55,75.89 83.29,75.89 83.72,75.46 83.72,70.36 83.45,70.08 82.28,70.08 81.97,70.38 81.97,74.67 81.36,75.28 80.57,75.28 80.47,75.39 80.47,75.82
PSE_NEG0 on LAY4: 28.21,133.68 28.77,133.12 30.22,133.12 30.68,133.58 30.68,141.56 30.27,141.96 29.41,141.96 28.85,141.4 28.85,136.07 28.34,135.56 21.96,135.56 21.02,134.62 21.02,133.23 21.2,133.05 21.86,133.05 22.5,133.68
PSE_NEG1 on LAY4: 53.74,139.12 53.74,141.58 53.33,141.99 52.47,141.99 51.91,141.43 51.91,140.31 50.97,139.37 49.93,139.37 46.14,135.59 40,135.59 39.21,134.8 39.21,133.53 39.69,133.05 40.48,133.05 41.14,133.71 46.27,133.71 46.85,133.12 47.74,133.12 48.02,133.4 48.02,135.56 50.47,138.01 52.63,138.01
PSE_NEG2 on LAY4: 65.09,133.71 65.65,133.15 66.34,133.15 66.57,133.38 66.57,135.26 68.67,137.37 68.67,141.58 68.27,141.99 67.4,141.99 66.84,141.43 66.84,137.52 64.91,135.59 59.4,135.59 57.85,134.04 57.85,133.45 58.23,133.07 59.33,133.07 59.96,133.71
PSE_NEG3 on LAY4: 76.67,133.1 78.86,133.1 79.49,133.73 83.23,133.73 83.79,133.17 84.9,133.17 85.36,133.63 85.36,141.07 84.93,141.51 83.96,141.51 83.53,141.07 83.53,136.12 83.02,135.61 78.15,135.61 76.42,133.89 76.42,133.35
PSE_POS0 on LAY3: 24.15,133.84 24.78,133.2 25.37,133.2 26.61,134.44 26.61,139.07 27.75,140.21 27.75,141.81 27.63,141.94 26.59,141.94 24.66,140.01 24.66,137.85 22.52,135.71 17.42,135.71 17.04,135.33 17.04,133.5 17.34,133.2 17.98,133.2 18.61,133.84
PSE_POS1 on LAY3: 44.49,133.84 46.02,133.84 49.67,137.49 49.67,139.07 50.82,140.21 50.82,141.81 50.69,141.94 49.65,141.94 47.72,140.01 47.72,137.85 45.58,135.71 36.42,135.71 35.58,134.88 35.58,133.48 35.96,133.1 36.52,133.1 37.25,133.84 42.44,133.84 43.07,133.2 43.86,133.2
PSE_POS2 on LAY3: 60.93,133.84 61.64,133.12 62.5,133.12 63.11,133.73 64.15,133.73 64.58,134.17 64.58,139.07 65.73,140.21 65.73,141.81 65.6,141.94 64.56,141.94 62.63,140.01 62.63,136.76 61.59,135.71 55.16,135.71 54.12,134.67 54.12,133.35 54.35,133.12 54.73,133.12 55.44,133.84
PSE_POS3 on LAY3: 72.76,133.17 73.4,133.17 74.03,133.81 79.14,133.81 79.85,133.1 80.79,133.1 81.27,133.58 81.27,139.04 82.41,140.19 82.41,141.79 82.29,141.91 81.25,141.91 79.32,139.98 79.32,136.73 78.27,135.69 73.14,135.69 72.41,134.95 72.41,133.53
SATA_1V25 on TOP: 115.84,103.58 111.65,103.58 111.4,103.84 111.4,105.13 111.6,105.34 116.86,105.34 117.37,104.83 117.37,103 117.21,102.85 116.58,102.85
SATA_1V25 on LAY3: 112.16,103.56 105.73,103.56 102.2,107.09 102.2,112.75 103.22,113.77 111.83,113.77 112.59,113.01 112.59,103.99
SATA_3V3 on BOTTOM: 122.17,106.91 117.37,106.91 117.14,107.14 117.14,108.28 117.34,108.49 122.12,108.49 122.39,108.21 122.39,107.14
SATA_3V3 on LAY4: 118.25,108.03 109.9,108.03 109.57,108.36 109.57,109.76 109.97,110.16 109.97,110.95 109.8,111.13 107.38,111.13 107,110.75 107,108.99 107.03,108.97 107.03,108.94 105.76,107.67 105.76,106.25 106.09,105.92 108.2,105.92 108.35,106.07 118.33,106.07 118.64,106.38 118.64,107.65
SATA_5V on TOP: 147.36,104.88 145.89,104.88 145.56,104.55 145.56,101.65 146.63,100.59 148.1,100.59 148.35,100.84 148.35,101.42 147.62,102.16 147.62,104.63
SW_1V2 on TOP: 118.28,46.69 117.37,46.69 117.11,46.94 115.61,46.94 115.41,47.14 115.41,47.58 115.56,47.73 117.09,47.73 117.85,46.97 118.31,46.97 118.38,46.89 118.38,46.79
SW_DC1 on TOP: 157.42,93.27 156.61,92.46 156.61,91.44 157.42,90.63 157.42,89.31 159.35,87.38 159.35,85.78 155.87,85.78 155.69,85.96 153.74,85.96 153.1,86.59 153.1,99.8 153.18,99.88 156.35,99.88 156.51,99.72 156.51,99.14 157.42,98.22
SW_DC2 on TOP: 156.15,70.72 156.15,70.13 157.07,69.22 157.07,64.26 156.25,63.45 156.25,62.44 157.07,61.62 157.07,60.3 159,58.37 159,56.77 155.52,56.77 155.34,56.95 153.38,56.95 152.75,57.58 152.75,70.79 152.82,70.87 156,70.87
SW_OUT on BOTTOM: 19.7,106.96 19.7,105.61 18.28,104.19 18.28,101.42 18.91,100.79 18.91,97.08 18.74,96.91 18.74,96.9 16.93,96.9 16.65,97.18 16.65,104.77 17.62,105.74 18.79,105.74 19.42,106.37 19.42,106.96 19.5,107.04 19.62,107.04
SW_OUT_31551824 on BOTTOM: 39.34,105.66 39.34,107 39.27,107.08 39.14,107.08 39.06,107 39.06,106.42 38.9,106.25 38.9,106.24 38.88,106.17 38.84,106.12 38.58,105.85 38.51,105.81 38.44,105.8 38.42,105.8 38.41,105.78 37.26,105.78 36.3,104.82 36.3,97.18 36.3,97.18 36.58,96.9 38.33,96.9 38.56,97.13 38.56,100.83 37.92,101.46 37.92,104.23
SW_OUT_31557191 on BOTTOM: 60.6,105.13 60.6,106.48 60.52,106.55 60.39,106.55 60.32,106.48 60.32,105.89 60.15,105.73 60.15,105.71 60.14,105.65 60.1,105.59 59.83,105.33 59.77,105.28 59.7,105.27 59.67,105.27 59.66,105.26 58.51,105.26 57.55,104.29 57.55,95.2 57.75,95 59.56,95 59.81,95.25 59.81,100.3 59.18,100.94 59.18,103.71
SW_OUT_31559821 on BOTTOM: 80.25,105.08 80.25,106.43 80.18,106.51 80.05,106.51 79.98,106.43 79.98,105.85 79.81,105.68 79.81,105.67 79.79,105.6 79.75,105.55 79.49,105.28 79.43,105.24 79.35,105.22 79.33,105.22 79.32,105.21 78.17,105.21 77.21,104.25 77.21,95.15 77.41,94.95 79.21,94.95 79.47,95.2 79.47,100.26 78.83,100.89 78.83,103.66
SW_OUT_L on BOTTOM: 20.44,106.98 20.44,106.2 20.21,105.97 20.21,102.13 20.62,101.73 21.55,101.73 21.76,101.93 21.76,104.9 21.02,105.64 21.02,105.89 20.69,106.22 20.69,106.98 20.62,107.06 20.51,107.06
SW_OUT_L_31551823 on BOTTOM: 41.4,101.97 41.4,104.94 40.66,105.68 40.66,105.9 40.63,105.91 40.46,106.02 40.38,106.2 40.38,106.22 40.33,106.27 40.33,107.03 40.26,107.1 40.16,107.1 40.08,107.03 40.08,106.24 40.04,106.2 40.04,106.18 39.98,106.02 39.85,105.91 39.85,102.18 40.26,101.77 41.2,101.77
SW_OUT_L_31557190 on BOTTOM: 62.65,101.45 62.65,104.42 61.92,105.16 61.92,105.38 61.88,105.39 61.71,105.49 61.63,105.68 61.63,105.7 61.59,105.74 61.59,106.5 61.51,106.58 61.41,106.58 61.33,106.5 61.33,105.71 61.29,105.67 61.29,105.66 61.24,105.49 61.11,105.38 61.11,101.65 61.51,101.24 62.45,101.24
SW_OUT_L_31559820 on BOTTOM: 82.31,101.4 82.31,104.37 81.58,105.11 81.58,105.33 81.54,105.34 81.37,105.45 81.29,105.63 81.29,105.65 81.25,105.69 81.25,106.46 81.17,106.53 81.07,106.53 80.99,106.46 80.99,105.67 80.95,105.63 80.95,105.61 80.89,105.45 80.76,105.34 80.76,101.61 81.17,101.2 82.11,101.2
TYPE C_UART_5V on BOTTOM: 80.84,70.13 79.29,70.13 79.14,70.28 79.14,71.05 79.21,71.12 80.89,71.12 81.07,70.94 81.07,70.36
TYPE C_UART_5V on BOTTOM: 122.98,148.16 122.98,153.01 122.8,153.19 121.43,153.19 121.2,152.96 121.2,148.19 121.4,147.98 122.8,147.98
TYPE C_UART_5V on LAY3: 89.78,104.42 89.78,136.15 102.89,149.25 122.8,149.25 123.16,148.9 123.16,145.52 122.72,145.09 103.95,145.09 93.39,134.52 93.39,106.15 91.43,104.19 90.01,104.19
TYPE C_UART_5V on LAY4: 78.81,70.94 78.81,68.23 79.06,67.97 87.44,67.97 89.2,69.73 89.2,90.22 94.51,95.53 94.51,105.01 94.15,105.36 89.78,105.36 89.27,104.85 89.27,100.03 83.48,94.24 83.48,73.79 80.84,71.15 79.01,71.15
TYPE C_UART_5V on LAY4: 117.8,152.61 118.76,152.61 119.5,153.34 120.74,153.34 121.07,153.01 121.07,151.69 121.3,151.46 122.75,151.46 123.11,151.82 123.11,152.91 118.79,157.23 117.8,157.23 116.98,156.42 116.98,153.42
VOUT_5V on BOTTOM: 30.8,49.68 36.61,49.68 36.94,49.35 40.19,49.35 41.72,47.83 42.38,47.83 42.63,48.08 42.63,49.68 41.34,50.98 37.04,50.98 36.59,51.43 30.67,51.43 30.34,51.1 30.34,50.14
N6199925 on TOP: 148.23,104.02 148.23,105.51 148.35,105.64 149.29,105.64 149.39,105.54 149.39,104.02 149.19,103.81 148.43,103.81
N6199925 on BOTTOM: 166.23,140.69 159.35,140.69 158.82,140.16 158.82,138.86 159.17,138.51 164.66,138.51 165.22,139.07 166.26,139.07 166.54,139.35 166.54,140.39
N6199925 on LAY4: 148.25,104.93 148.25,108.08 152.16,111.99 152.16,121.11 158.82,127.76 158.82,139.98 159.1,140.26 160.32,140.26 160.6,139.98 160.6,125.91 154.07,119.38 154.07,110.8 149.75,106.48 149.75,105.06 149.47,104.78 148.4,104.78
N6201040 on TOP: 148.48,103.36 149.75,103.36 149.95,103.15 149.95,102.34 149.78,102.16 148.4,102.16 148.28,102.29 148.28,103.15
N6201040 on BOTTOM: 159.53,121.87 163.95,121.87 164.89,122.81 166.31,122.81 166.57,123.07 166.57,123.95 166.18,124.34 164.2,124.34 163.26,123.4 159.76,123.4 159.28,122.91 159.28,122.13
N6201040 on LAY4: 149.01,102.52 149.01,103.41 150.39,104.78 150.39,105.97 154.83,110.42 154.83,118.9 159.73,123.8 161.23,123.8 161.46,123.57 161.46,122.79 156.2,117.53 156.2,109.58 151.73,105.11 151.73,104.12 149.9,102.29 149.24,102.29
N27061287 on BOTTOM: 111.02,148.87 107.26,148.87 106.93,149.2 106.93,150.24 107.03,150.35 110.94,150.35 111.19,150.09 111.19,149.05
N27061287 on LAY4: 111.75,152.61 110.81,152.61 110.18,153.24 109.03,153.24 108.32,152.53 108.32,149.63 108.07,149.38 106.7,149.38 106.47,149.61 106.47,152.99 110.71,157.23 111.83,157.23 112.62,156.44 112.62,153.47
N27077519 on BOTTOM: 142.16,157.15 141.39,156.39 141.39,136.25 150.16,127.49 150.16,124.44 150.54,124.06 153.28,124.06 156.79,127.56 156.79,135.79 155.59,136.98 148.23,136.98 145.91,139.3 145.91,156.52 145.28,157.15
N27077790 on TOP: 134.45,119.23 130.67,119.23 130.31,119.59 130.31,123.98 130.7,124.36 135.62,124.36 135.75,124.24 135.75,123.91 135.62,123.78 134.99,123.78 134.94,123.73 134.94,123.19 135.04,123.09 135.6,123.09 135.7,122.99 135.7,122.56 135.65,122.51 134.99,122.51 134.96,122.48 134.96,121.92 135.01,121.87 135.65,121.87 135.75,121.77 135.75,121.31 135.67,121.24 134.99,121.24 134.96,121.21 134.96,120.2 135.57,119.59 135.57,119.03 135.39,118.85 134.84,118.85
N27077790 on BOTTOM: 130.8,120.02 130.75,119.97 130.11,119.97 129.98,119.84 129.98,119.46 130.09,119.36 132.4,119.36 132.63,119.59 132.63,122.41 132.24,122.79 130.16,122.79 130.01,122.64 130.01,121.97 130.09,121.9 130.77,121.9 130.8,121.87 130.8,121.29 130.75,121.24 130.06,121.24 130.01,121.19 130.01,120.7 130.09,120.63 130.72,120.63 130.8,120.55
N27079470 on TOP: 131.56,115.24 130.31,115.24 130.06,115.5 130.06,118.27 130.34,118.55 131.61,118.55 131.81,118.34 131.81,115.5
N28388966 on TOP: 163.9,79.91 163.64,79.66 153.33,79.66 153.15,79.83 153.15,82.43 153.28,82.55 163.75,82.55 163.9,82.4
N28391410 on TOP: 163.29,50.65 152.98,50.65 152.8,50.83 152.8,53.42 152.93,53.55 163.39,53.55 163.54,53.39 163.54,50.9
N28901986 on BOTTOM: 42.43,50.75 42.07,50.75 41.44,51.38 39.24,51.38 39.09,51.53 39.09,52.79 39.53,53.24 41.17,53.24 42.63,51.78 42.63,50.95
N29726826 on BOTTOM: 127.35,127.97 122.39,127.97 118.36,123.93 118.36,122.25 119.3,121.31 121.05,121.31 125.09,117.27 128.39,117.27 129.02,117.91 129.02,126.29
N29727171 on BOTTOM: 133.82,134.34 126.36,134.34 125.37,133.35 125.37,130.99 126.28,130.08 129.51,130.08 132.63,126.95 137.38,126.95 138.47,128.04 138.47,129.69
N29728351 on BOTTOM: 154.73,137.82 148.2,137.82 147.62,138.41 147.62,145.67 148.1,146.15 155.14,146.15 155.57,145.72 155.57,138.66
N31548197 on TOP: 14.83,134.88 14.83,136.62 15.07,136.86 16.58,136.86 16.63,136.81 16.63,134.57 16.45,134.39 15.31,134.39
N31548197 on PWR02: 26.59,133.07 25.98,133.07 25.42,133.63 20.01,133.63 19.45,133.07 18.56,133.07 16.07,135.56 16.07,136.73 16.27,136.93 25.14,136.93 26.89,135.18 26.89,133.38
N31552138 on TOP: 33.37,134.9 33.37,136.86 33.62,137.11 34.89,137.11 35.17,136.83 35.17,134.6 34.99,134.42 33.85,134.42
N31552138 on PWR02: 45.15,133.07 44.54,133.07 43.98,133.63 38.57,133.63 38.02,133.07 37.13,133.07 34.64,135.56 34.64,136.73 34.84,136.93 43.71,136.93 45.46,135.18 45.46,133.38
N31557505 on TOP: 51.71,134.9 51.71,136.86 51.96,137.11 53.23,137.11 53.51,136.83 53.51,134.6 53.33,134.42 52.19,134.42
N31557505 on PWR02: 63.47,133.1 62.86,133.1 62.3,133.66 56.89,133.66 56.33,133.1 55.44,133.1 52.95,135.59 52.95,136.76 53.15,136.96 62.02,136.96 63.77,135.21 63.77,133.4
N31560135 on TOP: 70.25,134.8 70.25,136.76 70.5,137.01 71.77,137.01 72.05,136.73 72.05,134.5 71.87,134.32 70.73,134.32
N31560135 on PWR02: 81.98,133.12 81.37,133.12 80.81,133.68 75.4,133.68 74.85,133.12 73.96,133.12 71.47,135.61 71.47,136.78 71.67,136.98 80.54,136.98 82.29,135.23 82.29,133.43
N31601649 on TOP: 21.86,63.92 21.86,62.49 21.56,62.19 21.56,60.39 21.43,60.26 20.36,60.26 20.16,60.46 20.16,62.85 20.69,63.38 21.5,63.38 21.61,63.48 21.61,63.94 21.66,63.99 21.78,63.99

## Text on the board
Ref Des/Assembly Bottom: Assembly_Bottom
Ref Des/Silkscreen Bottom: 4 | 1 | 2 | 3 | SLEW | MODE_1 | MODE_0 | MODE_2 | 4*ETH+PSE | ETH | USB3 Type-A | LED2:M.2 KEY-B_STATUS | LED3:Mini PCIe_STATUS | LED4:HDD1 | LED5:HDD2 | EEP_WP | GND | RTC | 3V | Open:M.2 KEY-B | GND:Mini PCIe | SIM_MUX_SEL: | RTC 3V | DI & DO & CAN | HDMI | REC | RST | M.2 KEY-M (NVME) | NC | 5V | SATA2 | SATA1 | PWM | TACH | VDD5V | M.2 KEY-B 3042/3052 | 4G/5G Wireless Module | USB3.2 Gen 1(5Gbps) | Mini-PCIe | LoRa/Series Wireless Module | RS232/RS422/RS485 | USB2.0 NX | Debug UART | G:STA | R:PWR | SPI TPM | v1.1 10/16/2023 | reServer industrial J401 Carrier Board
Ref Des/Assembly Top: Assembly_Top
Ref Des/Silkscreen Top: GND_ISO | AUTO_ON_DIS | 3V3_MCU | GND | J8 | PWR_BTN | MCU_RST | BMCU_ACOK | SIM_MUX_SEL | USB_MUX_SEL | MCU_UART1_RX | MCU_UART1_TX | MCU_USB_BOOT | UART2_RXD_3V3 | UART2_TXD_3V3 | J10 | 4*1000M+PSE | 1000M | J14 | HDMI | J16 | REC | SW2 | J19 | USB2.0 NX | J18 | Debug UART | DO_4 | CAN_L | DO_3 | CAN_H | DO_2 | DO_1 | GND_DO | DI_4 | DI_3 | GND_DI | DI_2 | DI_1 | Jetson Orin NX | USB3.2 Gen 1(5Gbps) | J26 | EEP_WP | J1 | RS232/RS422/RS485 | J3 | LED1 | R:PWR | G:STA | J4 | RST | SW1 | 5V | NC | J27 | J30 | SATA1 | SATA2 | FAN | RTC 3V | J2 | DI & DO & CAN | 10A MAX. | 12V-36V | J17
PAGE_OUTLINE: LAYER 6 - SECONDARY SIDE - SIGNAL | LAYER 2 - POWER PLANE | LAYER 1 - PRIMARY SIDE - SIGNAL | LAYER 4 - SIGNAL | LAYER 5 - GROUND PLANE | LAYER 3 - SIGNAL | LAYER# | COPPER WEIGHT | HALF+PLATING | (OZ) | IMPEDANCE CONTROL | +/- 10% | 50ohm SINGLE ENDED | TRACE WIDTH | TRACE WIDTH / SPACE | 85ohm DIFFERENTIAL | 90ohm DIFFERENTIAL | 95ohm DIFFERENTIAL | 4/8.8 | 1OZ | 1 | 5 | 4.2/6.4 | 3.3/6 | LAYER STACK-UP - ALL DIMENSIONS IN MIL
User.45: FIGURE | FINISHED_SIZE | 7.87 | 8.0 | 15.75 | 21.65 | 23.62 | 25.0 | 27.56 | 32.0 | 35.43 | 39.37 | 40.0 | 40.16 | 40.8 | 41.34 | 43.31 | 47.24 | 55.12 | 57.09 | 62.99 | 66.93 | 90.55 | 129.92 | 146.85 | 165.35 | 60.0 | 125.98 | 127.95 | 43.31x19.69 | 62.99x27.56 | 70.08x19.69 | 70.87x19.69 | 110.24x27.56 | 137.8x47.24 | TOOL_SIZE | 0.25 | - | DRILL CHART: TOP to BOTTOM | ALL UNITS ARE IN MILS | SLOT HOLES: TOP to BOTTOM | ROTATION | 90.000 | 0.000 | TOLERANCE_DRILL | +2.95/-2.95 | +0.0/-0.0 | +3.0/-3.0 | +1.97/-1.97 | PLATED | NON-PLATED | QTY | 45 | 5213 | 28 | 2 | 4 | 14 | 36 | 6 | 32 | 10 | 20 | 16 | 1 | 7 | 27 | 5 | 8 | 3 | 5564 | 18 | TOTAL HOLES:
